# Altium PCB FPGA_SHIELD_MARK1_RA1_2.PcbDoc (part 2 of 4) (continued)
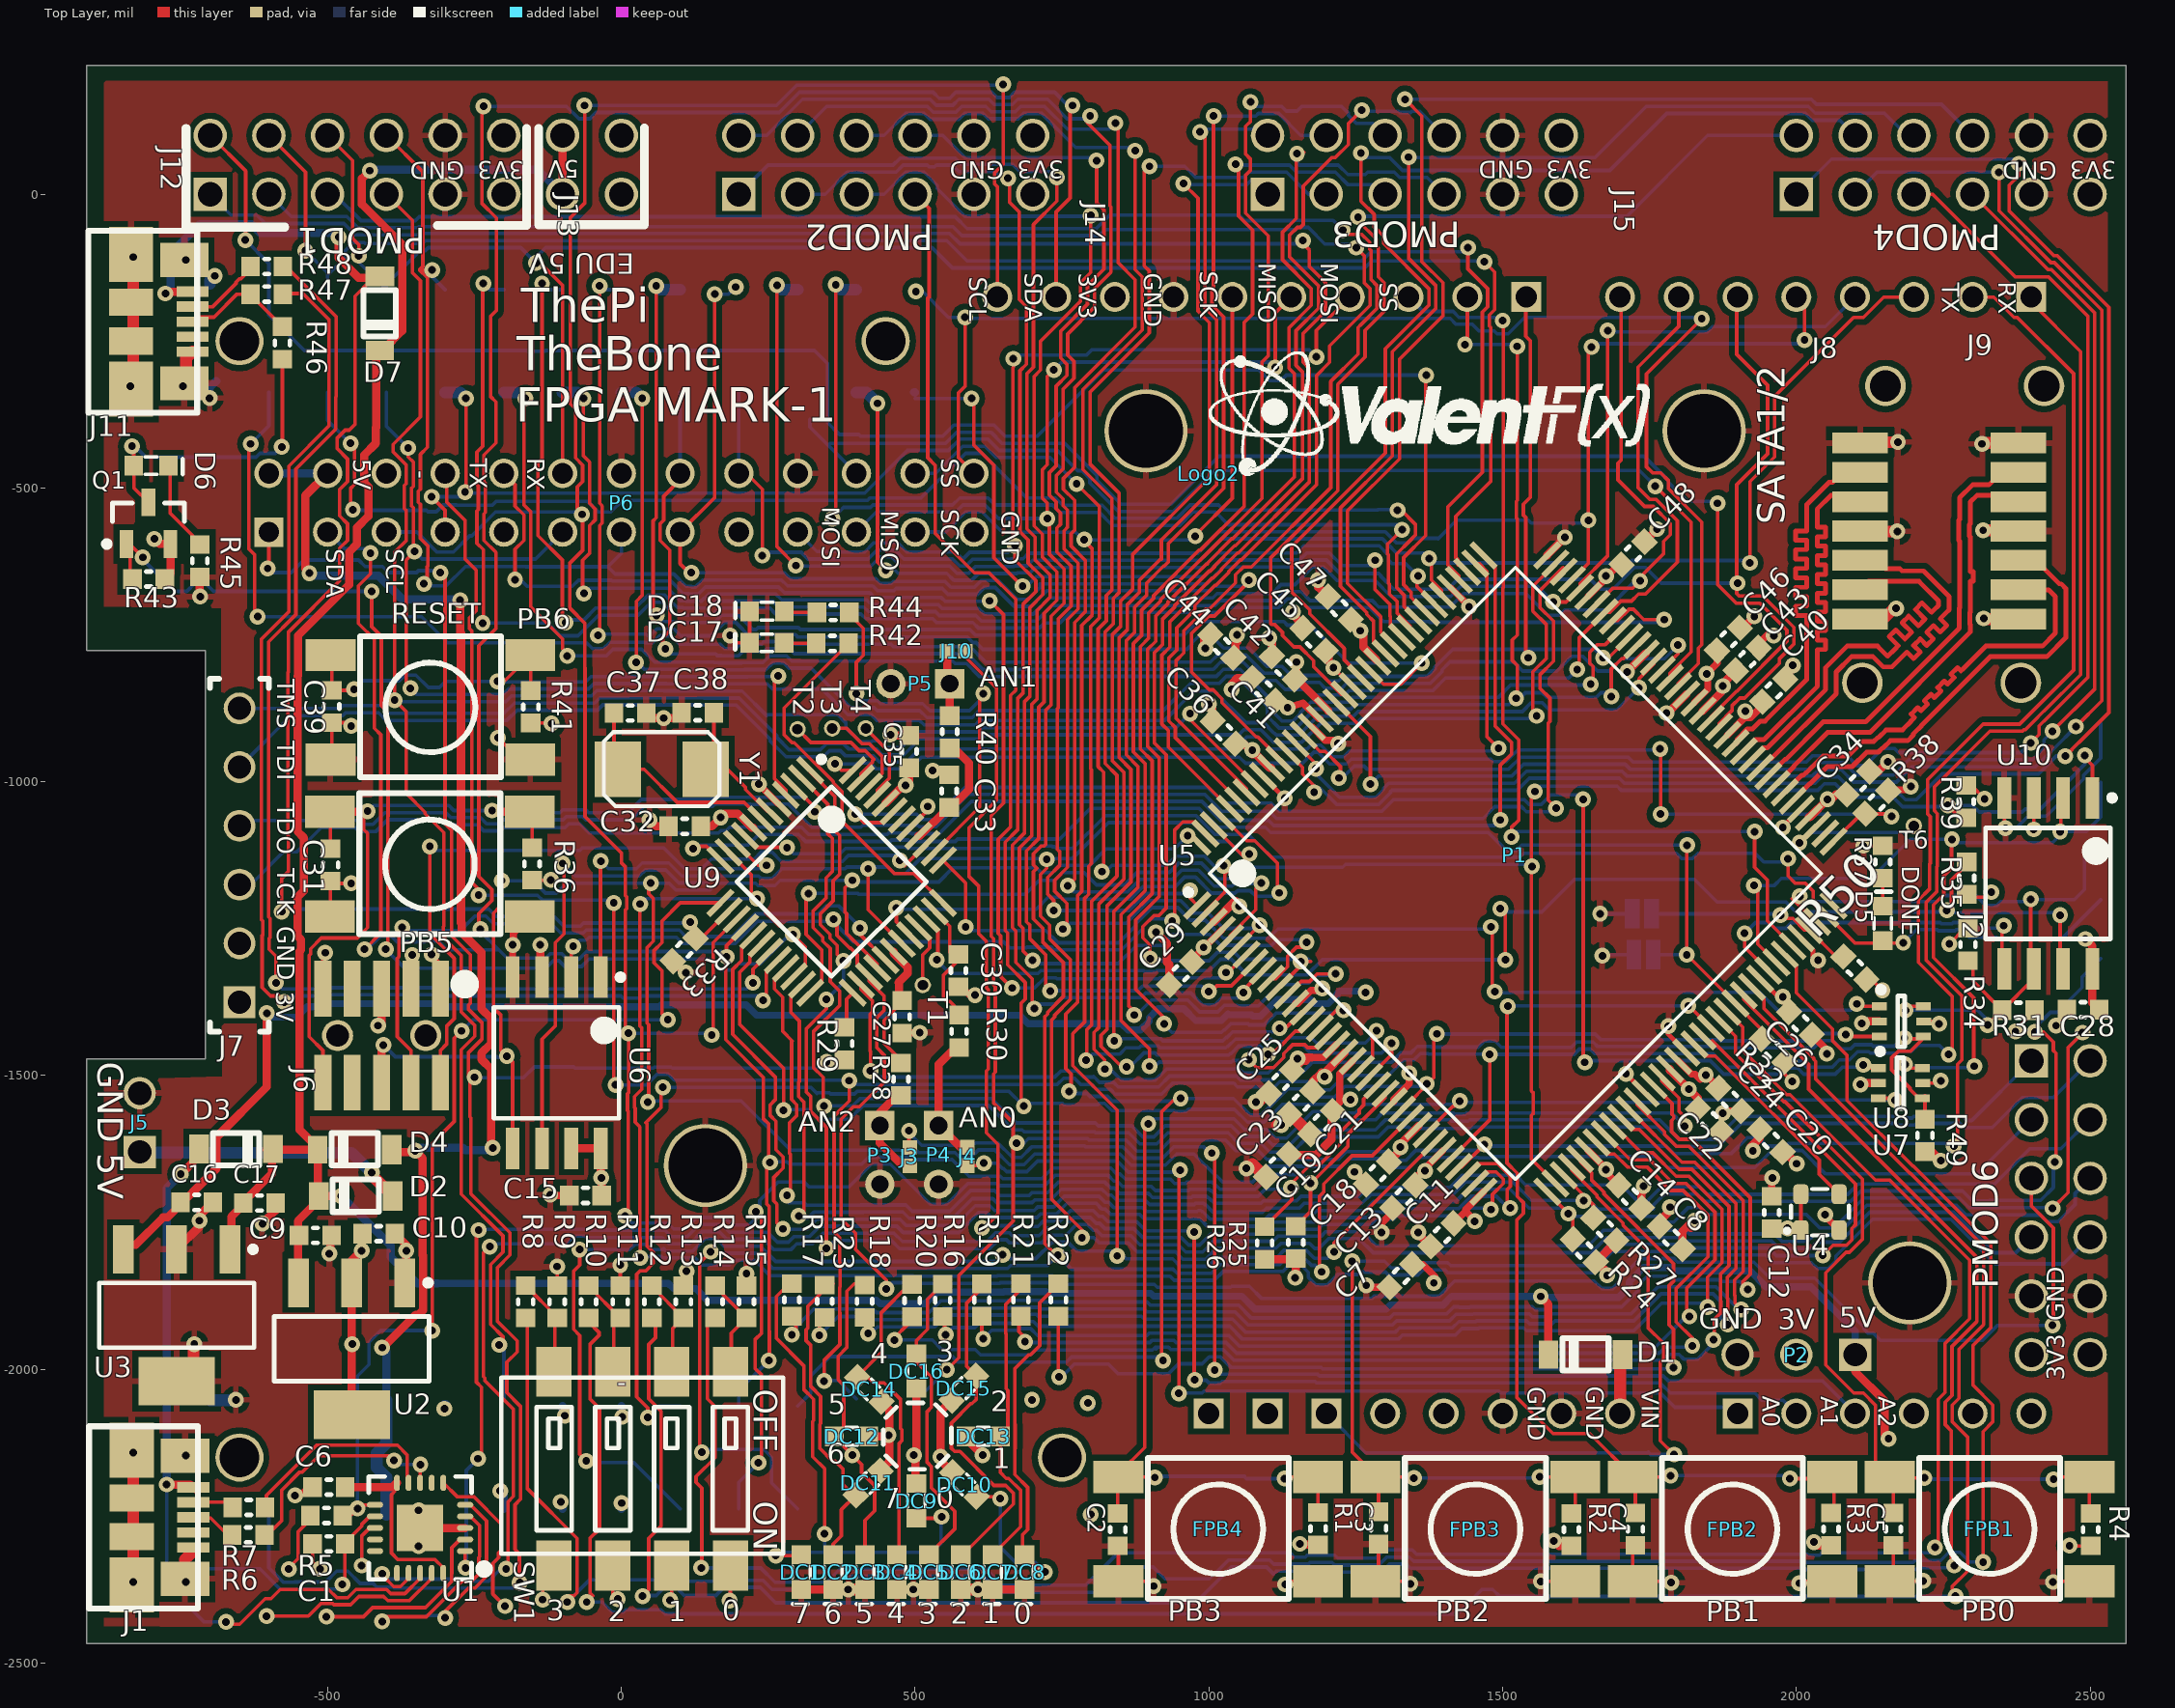
[diagram p0: Top Layer view]
## Nets (pads, with @x,y where several pads share a name; then routed paths per layer and width w, separated by ;. In a path a pad name is that pad's centre, name@x,y a point inside that pad or via, vN(x,y) a via of type N, cw(c..) or ccw(c..) an arc to the next point about the centre after c; other vN are vias at no path point) (continued)
GPMC_AD8: P1.C5 P6.18 P29.19 U5.105 | length 2641.4
  Top Layer w6: P6.18@200,-475 213,-475 240,-502 v1(240,-615) ; U5.105@1618.04,-656.29 1646,-628.34 v1(1646,-555) 1646,-265.5 v1(1651.5,-260) ; P1.C5@2000,-175 2014,-189 v1(2014,-248)
  Bottom Layer w6: P6.18@200,-475 P29.19@200,-337.5 ; v1(240,-615) 245.5,-609.5 306.32,-609.5 317.82,-621 420.21,-621 435.71,-605.5 465.45,-605.5 480.95,-621 563.98,-621 575.98,-633 586.3,-633 597.8,-621.5 662.74,-621.5 663.74,-620.5 683.82,-620.5 693.32,-611 980.8,-611 1017.3,-574.5 1300.26,-574.5 1319.26,-593.5 1338.32,-593.5 1346.32,-585.5 1389.29,-585.5 1390.15,-586.35 1421.5,-555 1544.18,-555 1548.68,-559.5 1641.5,-559.5 v1(1646,-555) ; v1(1651.5,-260) 1657,-254.5 2007.5,-254.5 v1(2014,-248)
GPMC_AD9: P1.C4 P29.13 U5.104 | length 3103.4
  Top Layer w6: v1(-64.5,-347.5) -64.5,-445.45 -54,-455.95 -54,-526.18 -44.5,-535.68 -44.5,-554.45 -54,-563.95 -54,-611.02 -66,-623.02 -66,-677.18 v1(-63.68,-679.5) ; v1(1586,-694) 1608.18,-694 U5.104@1631.96,-670.21 1631.96,-662.22 1679,-615.18 v1(1679,-232)
  Bottom Layer w6: v1(-63.68,-679.5) -54.68,-670.5 79.26,-670.5 100.26,-691.5 109.17,-691.5 110.17,-692.5 136.26,-692.5 148.26,-680.5 262.77,-680.5 272.77,-690.5 417.77,-690.5 425.77,-698.5 539.65,-698.5 546.15,-705 608.18,-705 617.68,-714.5 701.26,-714.5 728.76,-687 1006.63,-687 1014.13,-679.5 1107.74,-679.5 1122.74,-664.5 1146.68,-664.5 1176.68,-634.5 1195.32,-634.5 1218.32,-657.5 1282.99,-657.5 1309.99,-684.5 1411.71,-684.5 1428.71,-667.5 1559.5,-667.5 v1(1586,-694) ; v1(1679,-232) 1681.5,-234.5 1848.32,-234.5 1857.32,-225.5 2049.5,-225.5 P1.C4@2100,-175
  Bottom Layer w20: P29.13@-100,-337.5 -74.5,-337.5 v1(-64.5,-347.5)
GPMC_AD10: P1.C8 P29.14 U5.102 | length 3240.1
  Top Layer w6: v1(-135,-152) -135,-451 -142,-458 -142,-581.08 -100.5,-622.58 -100.5,-725.5 -96,-730 v1(-95,-729) ; U5.102@1659.8,-698.05 1687.35,-670.5 1721.5,-670.5 v1(1734,-658) 1734,-652 1774,-612 1774,-590.82 1785.5,-579.32 1785.5,-560.68 1756.31,-531.49 1741.72,-531.49 1696.51,-486.28 1696.51,-457.7 1701.5,-452.71 1701.5,-176.5 P1.C8@1700,-175
  Bottom Layer w6: v1(-135,-152) -124.5,-162.5 P29.14@-100,-162.5 ; v1@-96,-724.5 -63.68,-724.5 -43.68,-704.5 23.71,-704.5 45.71,-682.5 74.29,-682.5 95.29,-703.5 104.2,-703.5 105.2,-704.5 148.77,-704.5 160.77,-692.5 257.8,-692.5 267.8,-702.5 412.8,-702.5 420.8,-710.5 534.68,-710.5 541.18,-717 603.21,-717 612.71,-726.5 706.23,-726.5 732.73,-700 1010.6,-700 1019.1,-691.5 1113.71,-691.5 1128.71,-676.5 1157.29,-676.5 1172.29,-691.5 1278.26,-691.5 1289.26,-702.5 1410.68,-702.5 1433.68,-679.5 1539.68,-679.5 1576.68,-716.5 1596.74,-716.5 1605.74,-707.5 1676.68,-707.5 1726.18,-658 v1(1734,-658)
GPMC_AD11: P1.C7 P6.16 P29.17 U5.101 | length 2878.3
  Top Layer w6: v1(75,-774) 70.5,-769.5 70.5,-755.32 82.5,-743.32 82.5,-605.58 66,-589.08 66,-560.92 72,-554.92 72,-514 100,-486 P6.16@100,-475 ; v1(1627,-809) 1630,-806 1630,-755.69 U5.101@1673.72,-711.97 1681.87,-711.97 1701.31,-692.53 1719.39,-692.53 1731.42,-680.5 1743.32,-680.5 1797.5,-626.32 1797.5,-555.71 1761.28,-519.49 1750.69,-519.49 1730.51,-499.31 1730.51,-294.49 1800,-225 P1.C7@1800,-175
  Bottom Layer w6: v1(75,-774) 83.5,-782.5 160.68,-782.5 163.37,-785.19 170.4,-785.19 170.71,-785.5 199.29,-785.5 206.79,-778 243.24,-778 247.74,-773.5 286.26,-773.5 294.76,-782 568.36,-782 569.24,-782.88 579.18,-782.88 581.05,-781 582.36,-781 588.36,-787 592.49,-787 592.99,-787.5 594.3,-787.5 ; P6.16@100,-475 P29.17@100,-337.5 ; 594.3,-787.7 615.6,-809 669.97,-809 670.47,-808.5 1007.74,-808.5 1019.74,-796.5 1058.26,-796.5 1089.26,-827.5 1114.32,-827.5 1129.72,-842.89 1168.66,-842.89 1178.26,-852.5 1231.26,-852.5 1239.21,-844.55 1381.76,-844.55 1402.81,-823.5 1612.5,-823.5 v1(1627,-809)
GPMC_AD12: P29.12 U5.100 | length 2842.5
  Top Layer w6: v1(-236,-730) -235,-729 -235,-605.05 -246,-594.05 -246,-539 -243.5,-536.5 -243.5,-496.55 -246,-494.05 -246,-439 -236,-429 -236,-153 v1(-235,-152) ; U5.100@1687.64,-725.89 1695.79,-725.89 1715.23,-706.45 1722.69,-706.45 1740.24,-724 v1(1775,-724)
  Bottom Layer w6: v1(-236,-730) -125.82,-730 -104.32,-751.5 -73.71,-751.5 -38.71,-716.5 28.68,-716.5 50.68,-694.5 69.32,-694.5 90.32,-715.5 99.23,-715.5 100.23,-716.5 153.74,-716.5 165.74,-704.5 252.83,-704.5 262.83,-714.5 407.83,-714.5 415.83,-722.5 529.71,-722.5 536.21,-729 598.24,-729 607.74,-738.5 711.2,-738.5 719.81,-729.89 746.49,-729.89 764.38,-712 1015.57,-712 1024.07,-703.5 1118.68,-703.5 1133.68,-688.5 1152.32,-688.5 1167.32,-703.5 1273.29,-703.5 1297.29,-727.5 1375,-727.5 1376,-728.5 1770.5,-728.5 v1(1775,-724) ; v1(-235,-152) -224.5,-162.5 P29.12@-200,-162.5
GPMC_AD13: P29.11 U5.99 | length 2492.6
  Top Layer w6: v1(-163.5,-347.5) -165.5,-349.5 -165.5,-529.45 -154,-540.95 -154,-702.69 -100,-756.69 -100,-774 -92,-782 v1(-92,-786) ; v1(1650,-834) 1654,-830 1654,-803.82 1648.5,-798.32 1648.5,-779.68 1661.68,-766.5 1674.87,-766.5 U5.99@1701.56,-739.81
  Bottom Layer w6: v1(-92,-786) -91.5,-785.5 -25.71,-785.5 -14.71,-774.5 34.74,-774.5 56.74,-796.5 157.71,-796.5 158.4,-797.19 165.42,-797.19 165.74,-797.5 204.26,-797.5 204.58,-797.19 241.02,-797.19 252.71,-785.5 281.29,-785.5 290.29,-794.5 563.89,-794.5 568.39,-799 587.52,-799 609.52,-821 674.94,-821 675.44,-820.5 1012.71,-820.5 1024.71,-808.5 1053.29,-808.5 1111.5,-866.71 1111.5,-883.32 1124.68,-896.5 1143.32,-896.5 1156.5,-883.32 1156.5,-881.29 1173.29,-864.5 1236.23,-864.5 1244.18,-856.55 1492.63,-856.55 1513.68,-835.5 1648.5,-835.5 v1(1650,-834)
  Bottom Layer w20: P29.11@-200,-337.5 -173.5,-337.5 v1(-163.5,-347.5)
GPMC_AD14: P1.D1 P29.16 U5.98 | length 3153.6
  Top Layer w6: v1(-40,-751) -37,-748 -37,-563.92 -32.5,-559.42 -32.5,-530.71 -37,-526.21 v1(-37,-156) ; P1.D1@1540,-175 1539.5,-175.5 1539.5,-241.68 1547.5,-249.68 1547.5,-515.68 1535.5,-527.68 1535.5,-546.32 1539.5,-550.32 1539.5,-784.82 v1(1543.68,-789) ; v1(1671,-789) 1680.21,-789 U5.98@1715.48,-753.73
  Bottom Layer w6: v1(-40,-751) -37.5,-748.5 42.68,-748.5 45.68,-751.5 48.71,-751.5 60.71,-739.5 89.29,-739.5 101.29,-751.5 152.68,-751.5 175.68,-728.5 194.32,-728.5 219.71,-753.89 233.41,-753.89 237.8,-749.5 296.2,-749.5 300.59,-753.89 589.19,-753.89 598.3,-763 603.74,-763 615.24,-774.5 962.68,-774.5 971.5,-765.68 971.5,-763.68 984.68,-750.5 1003.32,-750.5 1025.32,-772.5 1068.2,-772.5 1099.2,-803.5 1124.27,-803.5 1139.66,-818.89 1193.07,-818.89 1202.68,-828.5 1221.32,-828.5 1229.27,-820.55 1371.82,-820.55 1385,-807.37 1385,-804.41 1414.91,-774.5 1656.5,-774.5 v1(1671,-789) ; v1(-37,-156) -30.5,-162.5 P29.16@0,-162.5
GPMC_AD15: P1.D2 P29.15 U5.97 | length 3203.6
  Top Layer w6: v1@25.5,-795.49 25.5,-692.68 35.5,-682.68 v1(35.5,-347.5) ; v1(1436,-256) 1440,-252 P1.D2@1440,-175 ; v1(1523,-858) 1523,-849.36 1525,-847.36 1525,-802.14 1516.5,-793.64 1516.5,-758.68 1525,-750.18 1525,-552.79 1523.5,-551.29 1523.5,-522.71 1525,-521.21 v1(1525,-259) ; v1(1685,-855) 1685,-808.18 1702.68,-790.5 1705.5,-790.5 U5.97@1736.49,-759.51
  Bottom Layer w6: v1(25,-797) 25,-796.81 26.32,-795.49 39.33,-808.5 152.74,-808.5 153.42,-809.19 160.45,-809.19 160.77,-809.5 209.23,-809.5 209.55,-809.19 245.99,-809.19 257.68,-797.5 276.32,-797.5 285.32,-806.5 322.97,-806.5 390.47,-874 430.5,-874 435.5,-879 508.12,-879 520.12,-891 597.46,-891 609.46,-879 922.43,-879 968.93,-832.5 1017.68,-832.5 1029.68,-820.5 1048.32,-820.5 1099.5,-871.68 1099.5,-888.29 1119.71,-908.5 1148.29,-908.5 1180.29,-876.5 1241.2,-876.5 1249.15,-868.55 1511.23,-868.55 v1@1523.23,-856.55 ; v1(1436,-256) 1522,-256 v1(1525,-259) ; v1@1530.66,-856.55 1538.71,-848.5 1567.29,-848.5 1575.29,-856.5 1659.32,-856.5 1667.32,-848.5 1678.5,-848.5 v1(1685,-855)
  Bottom Layer w20: P29.15@0,-337.5 25.5,-337.5 v1(35.5,-347.5)
GPMC_ADVN: P6.11 P29.7 U5.95 | length 3082.5
  Top Layer w6: v1(-363,-432) -363,-446.95 -354,-455.95 -354,-497.21 -357.5,-500.71 -357.5,-529.97 -354,-533.47 -354,-594.05 ; v1(-359,-841) -366,-834 -366,-622 v1(-352,-608) ; v1(1732,-840) 1732,-824.82 1757.24,-799.58 U5.95@1757.24,-795.49
  Bottom Layer w6: P29.7@-400,-337.5 -400,-395 v1(-363,-432) ; v1(-359,-841) -348.5,-851.5 -201.68,-851.5 -192.18,-842 -55.52,-842 -46.52,-833 77.41,-833 77.59,-833.19 150.51,-833.19 150.83,-833.5 219.17,-833.5 219.49,-833.19 248.37,-833.19 257.68,-842.5 276.32,-842.5 276.82,-842 341.5,-842 385.5,-886 425.53,-886 435.53,-896 508.15,-896 515.15,-903 602.43,-903 609.43,-896 924.18,-896 974.68,-845.5 1009.32,-845.5 1063.32,-899.5 1093.26,-899.5 1110.76,-917 1111.24,-917 1114.74,-920.5 1153.26,-920.5 1185.26,-888.5 1246.17,-888.5 1254.12,-880.55 1533.63,-880.55 1548.68,-865.5 1567.32,-865.5 1579.32,-877.5 1694.5,-877.5 v1(1732,-840) ; v1(-352,-608) -339,-621 -146,-621 P6.11@-100,-575
GPMC_BE0N: P6.7 P29.9 U5.93 | length 2856.5
  Top Layer w6: v1(-323,-515) -300,-538 P6.7@-300,-575 ; v1(-266,-507) -264.5,-505.5 v1(-264.5,-347.5) ; v1(1760.01,-496.99) 1821.07,-558.06 1821.07,-767.51 1821.07,-779.18 1785.08,-815.17 U5.93@1785.08,-823.33
  Bottom Layer w6: v1(-323,-515) -274,-515 v1(-266,-507) -264,-509 414.08,-509 487.08,-436 556.98,-436 575.98,-417 624.02,-417 643.02,-436 742.05,-436 776.55,-470.5 784.32,-470.5 797.5,-483.68 797.5,-491.45 810.05,-504 845.78,-539.73 940.44,-539.73 1010.17,-469.99 1733.01,-469.99 v1(1760.01,-496.99)
  Bottom Layer w20: P29.9@-300,-337.5 -274.5,-337.5 v1(-264.5,-347.5)
GPMC_BE1N_PMOD1_4: J12.4 P28.12 U5.137 | length 3837.6
  Top Layer w6: J12.4@-400,0 -355.5,-44.5 -355.5,-133.65 -342,-147.15 -342,-379.18 -388.5,-425.68 -388.5,-438.42 -366,-460.92 -366,-492.24 -369.5,-495.74 -369.5,-534.94 -366,-538.44 -366,-589.08 -386,-609.08 v1(-386,-861) -366,-881 -366,-1019.82 -334,-1051.82 -334,-1054.53 -302,-1086.53 -302,-1246 -303,-1247 -303,-1263 -301,-1265 -301,-1267.07 -272.5,-1295.57 -272.5,-1391.68 -249.5,-1414.68 -249.5,-1433.32 -272.5,-1456.32 -272.5,-1701.68 -201.5,-1772.68 -201.5,-1800.32 -222.69,-1821.51 -222.69,-1923.46 -201.5,-1944.65 -201.5,-1952 v1(-208,-1958.5) ; v1(968,-884) 968,-894.31 U5.137@1077.97,-1004.28
  Bottom Layer w6: v1(-386,-861) -383.5,-863.5 -196.71,-863.5 -187.21,-854 -50.55,-854 -41.55,-845 72.44,-845 72.62,-845.19 145.54,-845.19 145.86,-845.5 205.44,-845.5 247.12,-887.17 248.29,-886 368.53,-886 382,-899.47 382,-907.53 406.47,-932 425.53,-932 427.34,-930.19 436.68,-930.19 448.68,-942.19 475.81,-942.19 503,-915 607.4,-915 614.4,-908 944,-908 v1(968,-884) v1@969,-885 ; v1(-208,-1958.5) -200,-1966.5 P28.12@-200,-2052.5
GPMC_CLK: P29.18 U5.123 | length 2130.7
  Top Layer w6: v1@54,-717 v1@54,-723 ; v1(59.31,-156) 59.31,-550.63 54,-555.95 v1@54,-723 ; v1(60,-717) v1@60,-729 ; U5.123@1272.84,-809.41 1297.44,-834 1326.55,-834 v1(1362.5,-798.05) ; v1@54,-723 v1@60,-729 ; v1@54,-723 v1@60,-729
  Bottom Layer w6: v1(60,-717) 70.5,-727.5 94.26,-727.5 95.76,-729 158.21,-729 170.71,-716.5 199.29,-716.5 223.79,-741 229.33,-741 232.83,-737.5 301.17,-737.5 304.67,-741 593.27,-741 602.77,-750.5 958,-750.5 981,-727.5 1127.68,-727.5 1133.68,-733.5 1173,-733.5 1237.55,-798.05 v1(1362.5,-798.05)
  Bottom Layer w20: v1(59.31,-156) 65.81,-162.5 P29.18@100,-162.5
GPMC_CSN0: P6.26 P29.26 U5.92 | length 2389.3
  Top Layer w6: v1(585,-209.5) 585,-326.68 573.5,-338.18 573.5,-448.5 P6.26@600,-475 ; U5.92@1799,-837.25 1799,-832.76 1833.07,-798.69 1833.07,-772.48 1839,-766.55 1839,-557.98 1782.51,-501.49 1782.51,-487.67 1769.33,-474.49 1755.51,-474.49 1745.01,-463.99 1745.01,-305.99 v1(1839,-212)
  Bottom Layer w6: P29.26@507.21,-159.71 557,-209.5 v1(585,-209.5) 587,-211.5 1410.74,-211.5 1420.74,-221.5 1448.68,-221.5 1459.68,-232.5 1485.68,-232.5 1490.68,-237.5 1509.32,-237.5 1537.32,-209.5 1836.5,-209.5 v1(1839,-212)
  Bottom Layer w14: P29.26@500,-162.5 500,-164.17 v1(501.38,-165.55)
GPMC_CSN1: P6.22 P29.21 U5.88 | length 2265.2
  Top Layer w6: U5.88@1854.67,-892.92 1854.67,-889.54 1898.71,-845.5 1899.26,-845.5 1984.03,-760.74 1984.03,-742.1 1937.85,-695.92 1897.55,-695.92 1866,-664.36 v1(1866.01,-525.99)
  Bottom Layer w6: P29.21@321,-383 321,-396 352,-427 ; P6.22@400,-475 352,-427 ; v1(1866.01,-525.99) 1862.73,-522.71 1814.73,-522.71 1782.51,-490.49 1782.51,-487.67 1740.84,-446 1017.2,-446 935.46,-527.73 850.75,-527.73 809.5,-486.48 809.5,-478.71 754.79,-424 647.99,-424 628.99,-405 571.01,-405 552.01,-424 355,-424 352,-427
GPMC_CSN2: P1.C6 P6.15 P29.20 U5.87 | length 3385.5
  Top Layer w6: v1(119,-644) v1@117,-646 ; v1(159,-170) 159,-516 P6.15@100,-575 100,-629 ; U5.87@1868.59,-906.84 1868.59,-900.96 1890.5,-879.05 1890.5,-870.68 1903.68,-857.5 1912.05,-857.5 1971.5,-798.05 1971.5,-790.23 1996.03,-765.71 1996.03,-737.13 1942.82,-683.92 1902.52,-683.92 1898.5,-679.89 1898.5,-494.5 1951.01,-441.99 1951.01,-325.12 1898.5,-272.61 1898.5,-176.5 P1.C6@1900,-175 ; 100,-629 v1@117,-646 ; 100,-629 v1@117,-646
  Bottom Layer w6: v1(119,-644) 118.5,-644.5 277.68,-644.5 287.68,-654.5 432.68,-654.5 440.68,-662.5 459.32,-662.5 462.83,-658.99 551.05,-658.99 561.06,-669 601.21,-669 612.71,-657.5 641.68,-657.5 673.68,-689.5 692.32,-689.5 713,-668.82 713,-664 ; v1(159,-170) 182.5,-170 v1(194.56,-157.94) ; 712.41,-663.41 712.82,-663 996.68,-663 1025.18,-634.5 1159.29,-634.5 1171.11,-622.68 ; 1171.32,-622.89 1171.71,-622.5 1200.29,-622.5 1223.29,-645.5 1289.29,-645.5 1292.98,-649.19 ; 1292.32,-649.85 1314.97,-672.5 1406.74,-672.5 1423.74,-655.5 1649.68,-655.5 1666.68,-672.5 1687.68,-672.5 1724.68,-635.5 1743.32,-635.5 1769.82,-662 v1(1900,-662)
  Bottom Layer w14: v1(194.56,-157.94) 199.11,-162.5 P29.20@200,-162.5
GPMC_OEN_PMOD1_9: J12.9 P6.12 P29.8 U5.111 | length 3186.2
  Top Layer w6: J12.9@-500,100 -457.5,57.5 -457.5,-76 ; -457,-76 -447,-86 v1(-447,-105) ; v1(-145,-117) -138.18,-117 -100,-155.18 P6.12@-100,-475 ; U5.111@1424,-631 1424,-621.91 1420.44,-618.35 1420.44,-548 1479.88,-488.56 1479.88,-226.7 1477.5,-224.32 1477.5,-205.68 1486.5,-196.68 1486.5,-132.5 v1(1469,-115)
  Bottom Layer w6: v1(-447,-105) -445,-107 -445,-117.5 P29.8@-400,-162.5 -400,-153.36 -342.64,-96 -333.73,-96 -328.73,-91 -171.27,-91 -153.27,-109 v1@-145,-109 ; v1(-145,-117) v1@-145,-109 ; v1(1469,-115) 1467.5,-113.5 1277.29,-113.5 1265.29,-125.5 563.23,-125.5 528.73,-91 -128.73,-91 -145,-107.27 v1@-145,-109
GPMC_WE1N_PMOD1_10: J12.10 P6.13 P29.10 U5.134 | length 2892.7
  Top Layer w6: J12.10@-400,100 -338,38 -338,-123.18 -343.5,-128.68 ; v1(-336,-663.15) -330.5,-657.65 -330.5,-633.68 -329.5,-632.68 -329.5,-598.68 -342,-586.18 -342,-527.82 -345.5,-524.32 -345.5,-505.68 -342,-502.18 -342,-442.82 -330,-430.82 -330,-142.18 -343.5,-128.68 ; v1(-322,-129) -343.18,-129 ; v1(1068,-657) 1068,-659.57 1009.64,-717.92 999.71,-717.92 970.78,-746.86 970.78,-813.57 1000.71,-843.5 1007.32,-843.5 1022.5,-858.68 1022.5,-865.29 1080.71,-923.5 1083.32,-923.5 1119.73,-959.91 U5.134@1119.73,-962.52 ; -343.5,-128.68 -343.18,-129 ; -343.5,-128.68 -343.18,-129
  Bottom Layer w6: v1(-336,-663.15) -332.65,-666.5 -298.32,-666.5 -265.32,-633.5 -162.68,-633.5 -162.18,-634 -23,-634 ; v1(-322,-129) -343.18,-129 -343.5,-128.68 -333.82,-128.68 P29.10@-300,-162.5 ; P6.13@0,-575 0,-611 -23,-634 ; v1@1072,-657.5 1062,-667.5 1009.16,-667.5 1001.66,-675 723.79,-675 697.29,-701.5 668.71,-701.5 636.71,-669.5 617.68,-669.5 606.18,-681 556.09,-681 546.08,-670.99 467.8,-670.99 464.29,-674.5 435.71,-674.5 427.71,-666.5 282.71,-666.5 272.71,-656.5 138.32,-656.5 126.32,-668.5 120.11,-668.5 119.11,-667.5 110.2,-667.5 89.2,-646.5 -10.5,-646.5 -23,-634
HDMI_D1_N: J9.5 U5.78 | length 765.1
  Top Layer w8: U5.78@1993.87,-1032.12 2022.99,-1003 2024,-1003 2052.73,-974.27 2094.92,-974.27 2119.65,-949.55 2139.22,-949.55 2146.27,-942.5 2147.51,-942.5 2160.01,-930 2189.51,-930 2199.5,-920.01 2199.5,-918.27 2213.27,-904.5 2213.27,-903.73 2329.89,-787.11 2426.35,-787.11 2458.86,-754.59 2458.86,-671.3 2450.86,-663.3 2447.45,-663.3 2407.45,-623.29 J9.5@2378.35,-623.29
HDMI_D1_P: J9.6 U5.79 | length 767.9
  Top Layer w8: U5.79@1979.95,-1018.2 2009.15,-989 2011.53,-989 2015.53,-985 2016.54,-985 2045.27,-956.27 2087.47,-956.27 2112.19,-931.55 2131.76,-931.55 2138.81,-924.5 2140.06,-924.5 2152.56,-912 2181.5,-912 2181.5,-910.81 2195.27,-897.04 2195.27,-896.28 2200.92,-890.62 2195.27,-884.96 2206.58,-873.65 2212.24,-879.31 2223.55,-867.99 2217.89,-862.34 2229.21,-851.02 2234.86,-856.68 2246.18,-845.37 2240.52,-839.71 2251.83,-828.4 2257.49,-834.05 2268.81,-822.74 2263.15,-817.08 2274.46,-805.77 2280.12,-811.43 2283.27,-808.27 2322.43,-769.11 2418.89,-769.11 2440.86,-747.14 2440.86,-684.86 2429.29,-673.29 J9.6@2378.35,-673.29
HDMI_D2_N: J9.3 U5.80 | length 762.4
  Top Layer w8: U5.80@1966.03,-1004.28 1995.31,-975 1995.31,-973.81 2053.06,-916.06 2125.32,-916.06 2296,-745.38 2296,-732.23 2295.5,-731.73 2295.5,-712.27 2296,-711.77 2296,-682.5 2296,-674.5 2296,-658.5 2301,-658.5 2301,-642.5 2296,-642.5 2296,-628 2296,-583.23 2294.5,-581.73 2294.5,-562.27 2296,-560.77 2296,-524 2307.33,-512.67 2367.72,-512.67 J9.3@2378.35,-523.29
HDMI_D2_P: J9.2 U5.81 | length 771.3
  Top Layer w8: U5.81@1952.11,-990.36 1980.47,-962 1981.66,-962 2045.6,-898.06 2117.86,-898.06 2277.5,-738.42 2277.5,-704.81 2278,-704.31 2278,-590.69 2276.5,-589.19 2276.5,-554.81 2278,-553.31 2278,-516.54 2299.88,-494.67 2327.67,-494.67 2349.05,-473.29 J9.2@2378.35,-473.29
HDMI_D3_N: J8.5 U5.82 | length 765.6
  Top Layer w8: U5.82@1938.19,-976.44 1954.47,-960.16 1958.09,-960.16 2068.06,-850.2 2067.83,-849.97 2067.83,-813.15 2093.87,-787.11 2130.69,-787.11 2148.06,-804.48 2162.98,-804.48 2171.23,-796.23 2176.88,-790.57 2188.2,-779.26 2199.51,-790.57 2210.83,-779.26 2199.51,-767.94 2210.83,-756.63 2222.14,-767.94 2233.45,-756.63 2222.14,-745.32 2233.45,-734 2244.77,-745.32 2256.08,-734 2244.77,-722.69 2254.73,-712.73 2260,-707.46 2260,-684.54 2216.46,-641 2179.79,-641 2176.27,-637.48 2151.64,-637.48 2137.45,-623.29 J8.5@2108.35,-623.29
HDMI_D3_P: J8.6 U5.83 | length 760.1
  Top Layer w8: U5.83@1924.27,-962.52 1944.63,-942.16 1950.64,-942.16 2049.83,-842.96 2049.83,-805.69 2086.42,-769.11 2138.15,-769.11 2155.52,-786.48 2168,-774 2173.66,-768.34 2158.03,-752.71 2159.73,-751.01 2165.59,-745.15 2169.34,-741.4 2184.97,-757.03 2196.28,-745.72 2180.02,-729.45 2191.33,-718.14 2207.6,-734.4 2218.91,-723.09 2202.65,-706.82 2213.96,-695.51 2230.23,-711.77 2233.5,-708.5 2242,-700 2242,-692 2209,-659 2122.64,-659 J8.6@2108.35,-673.29
HDMI_D4_N: J8.3 U5.84 | length 755.8
  Top Layer w8: U5.84@1910.35,-948.6 1930.79,-928.16 1944.84,-928.16 2035.83,-837.17 2035.63,-836.96 2035.63,-799 2035.63,-791 2035.63,-775 2049.63,-775 2049.63,-759 2035.63,-759 2035.63,-743 2049.63,-743 2049.63,-727 2035.63,-727 2035.63,-711 2049.63,-711 2049.63,-695 2035.63,-695 2035.63,-679 2049.63,-679 2049.63,-663 2035.63,-663 2035.63,-647 2049.63,-647 2049.63,-631 2035.63,-631 2035.63,-615 2049.63,-615 2049.63,-599 2035.63,-599 2035.63,-583 2049.63,-583 2049.63,-567 2035.63,-567 2035.63,-561 2035.63,-535.81 2058.77,-512.67 2097.72,-512.67 J8.3@2108.35,-523.29
HDMI_D4_P: J8.2 U5.85 | length 771.4
  Top Layer w8: U5.85@1896.43,-934.68 1898.81,-934.68 1899.09,-934.41 1899.09,-927.67 1916.6,-910.16 1925.47,-910.16 1938.76,-896.87 1946.88,-896.87 2017.63,-826.12 2017.63,-807.14 2017.63,-757 2017.63,-749 2017.63,-733 2017.63,-717 1998.63,-717 1998.63,-701 2017.63,-701 2017.63,-685 1998.63,-685 1998.63,-669 2017.63,-669 2017.63,-653 1998.63,-653 1998.63,-637 2017.63,-637 2017.63,-621 1998.63,-621 1998.63,-605 2017.63,-605 2017.63,-589 1998.63,-589 1998.63,-573 2017.63,-573 2017.63,-557 2017.63,-542 2017.63,-528.35 2055.64,-490.34 2061.64,-490.34 2078.69,-473.29 J8.2@2108.35,-473.29
LED0: R22.2 U5.41 | length 1612.6
  Top Layer w6: v1@743,-2010 v1@744,-2011 ; R22.2@744,-1909.56 v1@744,-2011 ; U5.41@1633,-1647 1651.4,-1665.4 1651.4,-1677.61 1672.5,-1698.71 1672.5,-1701.5 1791,-1820 1791,-1849.97 1783.5,-1857.47 1783.5,-1924.29 1791,-1931.79 v1(1791,-1997) ; v1@744,-2011 744,-2012 v1(745,-2013) 745,-2012 v1@744,-2011
  Bottom Layer w6: v1(745,-2013) 749.27,-2013 771.27,-1991 828.73,-1991 845.23,-2007.5 931.32,-2007.5 948.32,-1990.5 988.68,-1990.5 1000.68,-1978.5 1019.32,-1978.5 1037.32,-1996.5 1190.5,-1996.5 1193,-1999 1789,-1999 v1(1791,-1997)
LED1: R21.2 U5.43 | length 1704.2
  Top Layer w6: R21.2@676.91,-1909.67 676.91,-1935.91 687,-1946 v1(687,-1953) ; U5.43@1659.8,-1613.95 1679.24,-1633.39 1690.11,-1633.39 1712.23,-1655.51 1745.6,-1655.51 1785.59,-1695.5 1807.32,-1695.5 1849.5,-1737.68 1849.5,-1808.44 1795.5,-1862.44 1795.5,-1919.32 1823,-1946.82 v1(1823,-1960)
  Bottom Layer w6: v1(687,-1953) 687,-1948 693.5,-1954.5 899.71,-1954.5 903.71,-1950.5 940.29,-1950.5 944.29,-1954.5 1029.26,-1954.5 1047.26,-1972.5 1766.71,-1972.5 1776.71,-1962.5 1820.5,-1962.5 v1(1823,-1960)
LED2: R19.2 U5.44 | length 1733.2
  Top Layer w6: R19.2@613.62,-1909.67 613.62,-1938.62 616,-1941 v1(616,-1948) ; U5.44@1673.72,-1600.03 1717.2,-1643.51 1750.57,-1643.51 1790.56,-1683.5 1812.29,-1683.5 1861.5,-1732.71 1861.5,-1813.41 1813.5,-1861.41 1813.5,-1907.5 1811,-1910 v1(1818,-1910)
  Bottom Layer w6: v1(616,-1948) 630.5,-1933.5 674.68,-1933.5 677.68,-1930.5 696.32,-1930.5 708.32,-1942.5 894.74,-1942.5 898.74,-1938.5 945.26,-1938.5 949.26,-1942.5 1034.23,-1942.5 1052.23,-1960.5 1761.74,-1960.5 1812.24,-1910 v1(1818,-1910)
LED3: R16.2 U5.45 | length 1803.8
  Top Layer w6: R16.2@550.34,-1909.67 550.34,-1939.34 v1(552,-1941) ; U5.45@1687.64,-1586.11 1690.9,-1586.11 1736.3,-1631.51 1755.54,-1631.51 1795.53,-1671.5 1817.26,-1671.5 1873.5,-1727.74 1873.5,-1818.38 1849,-1842.88 v1(1849,-1894)
  Bottom Layer w6: v1(552,-1941) 564,-1929 601.18,-1929 608.68,-1921.5 669.71,-1921.5 672.71,-1918.5 701.29,-1918.5 709.29,-1926.5 1035.2,-1926.5 1057.2,-1948.5 1322.66,-1948.5 1329.66,-1941.5 1419.66,-1941.5 1430.66,-1930.5 1459.23,-1930.5 1460.23,-1929.5 1535.77,-1929.5 1540.77,-1934.5 1723.68,-1934.5 1770.68,-1887.5 1842.5,-1887.5 v1(1849,-1894)
LED4: R20.2 U5.46 | length 1982
  Top Layer w6: v1(465,-1950) 465,-1946.02 487.05,-1923.96 R20.2@487.05,-1909.67 ; U5.46@1701.56,-1572.19 1721,-1591.63 1732.63,-1591.63 1800.5,-1659.5 1822.23,-1659.5 1885.5,-1722.77 1885.5,-1823.35 1870.76,-1838.09 1870.76,-1883.94 1871.5,-1884.68 1871.5,-1903.68 1860.5,-1914.68 1860.5,-1948.5 v1@1859,-1950
  Bottom Layer w6: v1(465,-1950) 529.18,-1950 545.42,-1966.24 602.42,-1966.24 611.68,-1975.5 696.32,-1975.5 704.82,-1967 904.18,-1967 908.68,-1962.5 912.68,-1962.5 ; 910.09,-1965.09 912.68,-1962.5 ; v1(1858.77,-1949.77) 1859,-1950 1859,-1955.82 1832.32,-1982.5 1808.32,-1982.5 1800.32,-1974.5 1781.68,-1974.5 1771.68,-1984.5 1042.29,-1984.5 1024.29,-1966.5 935.32,-1966.5 931.32,-1962.5 912.68,-1962.5
LED5: R18.2 U5.47 | length 2047.9
  Top Layer w6: v1(420,-1939) 421.09,-1939 423.77,-1936.32 R18.2@423.77,-1909.67 ; U5.47@1715.48,-1558.27 1716.24,-1558.27 1805.47,-1647.5 1827.2,-1647.5 1897.5,-1717.8 1897.5,-1828.32 1882.76,-1843.06 1882.76,-1878.97 1883.5,-1879.71 1883.5,-1923.5 v1(1883,-1924)
  Bottom Layer w6: v1@422.98,-1940.02 435.5,-1927.5 533.68,-1927.5 553.68,-1907.5 666.74,-1907.5 667.74,-1906.5 706.26,-1906.5 709.26,-1909.5 885.03,-1909.5 890.03,-1914.5 1040.17,-1914.5 1062.17,-1936.5 1317.69,-1936.5 1324.69,-1929.5 1414.69,-1929.5 1425.69,-1918.5 1454.26,-1918.5 1455.26,-1917.5 1540.74,-1917.5 1545.74,-1922.5 1584.26,-1922.5 1589.26,-1917.5 1723.71,-1917.5 1769.71,-1871.5 1858.32,-1871.5 1871.5,-1884.68 1871.5,-1912.5 v1(1883,-1924)
LED6: R23.2 U5.48 | length 2141.8
  Top Layer w6: v1(337,-1942) 337,-1920.56 R23.2@346,-1911.56 ; U5.48@1729.4,-1544.35 1729.4,-1549.55 1775.5,-1595.65 1775.5,-1600.29 1795.71,-1620.5 1817.17,-1620.5 1909.5,-1712.83 1909.5,-1833.29 1894.76,-1848.03 1894.76,-1874 1895.5,-1874.74 1895.5,-1887.5 v1(1906,-1898)
  Bottom Layer w6: v1(337,-1942) 369,-1910 400,-1910 ; 403,-1910 400,-1910 ; v1(1906,-1898) 1901.79,-1898 1863.29,-1859.5 1764.74,-1859.5 1718.74,-1905.5 1584.29,-1905.5 1579.29,-1910.5 1550.71,-1910.5 1545.71,-1905.5 1450.29,-1905.5 1449.29,-1906.5 1420.72,-1906.5 1409.72,-1917.5 1319.72,-1917.5 1312.72,-1924.5 1067.14,-1924.5 1045.14,-1902.5 895,-1902.5 890,-1897.5 714.23,-1897.5 711.23,-1894.5 662.77,-1894.5 661.77,-1895.5 548.71,-1895.5 528.71,-1915.5 429.25,-1915.5 423.25,-1909.5 400.5,-1909.5 400,-1910
LED7: R17.2 U5.50 | length 2193.9
  Top Layer w6: v1(290.18,-1941) 297.19,-1933.99 R17.2@297.19,-1909.67 ; U5.50@1757.24,-1516.51 1788.55,-1547.82 1788.55,-1565.91 1791.51,-1568.87 1791.51,-1572.67 1787.5,-1576.68 1787.5,-1595.32 1800.68,-1608.5 1822.14,-1608.5 1921.5,-1707.86 1921.5,-1838.26 1909,-1850.76 1909,-1856.09 v1(1917.26,-1864.35)
  Bottom Layer w6: v1@287.18,-1938 327.68,-1897.5 428.22,-1897.5 434.22,-1903.5 523.74,-1903.5 543.74,-1883.5 656.8,-1883.5 657.8,-1882.5 716.2,-1882.5 719.2,-1885.5 894.97,-1885.5 899.97,-1890.5 1050.11,-1890.5 1072.11,-1912.5 1307.75,-1912.5 1314.75,-1905.5 1404.75,-1905.5 1416.75,-1893.5 1424.68,-1893.5 1425.68,-1894.5 1444.32,-1894.5 1445.32,-1893.5 1550.68,-1893.5 1555.68,-1898.5 1574.32,-1898.5 1579.32,-1893.5 1702.75,-1893.5 1730.52,-1865.73 1730.52,-1857.24 1746.26,-1841.5 1779.37,-1841.5 1785.37,-1847.5 1868.26,-1847.5 1871.44,-1850.68 1903.59,-1850.68 v1(1917.26,-1864.35)
LPC_CS_FPGA: U5.141 U9.32 | length 931.2
  Top Layer w6: v1(468,-1214.69) 468,-1238.18 U9.32@491.53,-1261.7 ; U5.141@1022.29,-1059.96 1023.48,-1059.96 1064.03,-1100.5 1078.32,-1100.5 1117,-1139.18 v1@1117,-1189.09
  Bottom Layer w6: v1(468,-1214.69) 470.31,-1217 706.18,-1217 726.68,-1196.5 747.68,-1196.5 750.68,-1199.5 866.8,-1199.5 888.04,-1178.26 942.92,-1178.26 958.68,-1162.5 977.32,-1162.5 1004.32,-1189.5 1044.26,-1189.5 1046.76,-1187 1047.91,-1187 1049.41,-1185.5 1055.32,-1185.5 1070.5,-1185.5 1080,-1195 1113.82,-1195 v1(1119.73,-1189.09)
LPC_FPGA_SLAVE_CFG_CCLK: U8.1 U9.37 | length 1883.1
  Top Layer w6: U9.37@547.2,-1133.65 585.94,-1172.38 v1(585.94,-1247) ; v1@1480.82,-1246.32 1480.68,-1246.32 v1(1480,-1247) 1482.24,-1249.24 1482.24,-1352.67 v1(1486.63,-1357.06) ; v1(2103,-1378) 2107.41,-1382.41 U8.1@2136.55,-1382.41 ; U8.1@2140.55,-1386.41 U8.1@2136.55,-1382.41 ; U8.1@2141.12,-1382.41 U8.1@2136.55,-1382.41
  Bottom Layer w6: v1(585.94,-1247) 592.14,-1253.2 722.38,-1253.2 743.18,-1274 846.24,-1274 875.5,-1244.74 875.5,-1241.71 902.95,-1214.26 946.99,-1214.26 968.23,-1235.5 993.95,-1235.5 1024.63,-1266.18 1053.23,-1266.18 1053.55,-1266.5 1101.71,-1266.5 1117.71,-1250.5 v1@1480,-1250.5 ; v1(1486.63,-1357.06) 1488.58,-1359.01 1513.67,-1359.01 1514.18,-1358.5 1937.68,-1358.5 1967.68,-1388.5 2092.5,-1388.5 v1(2103,-1378)
LPC_FPGA_SLAVE_CFG_DIN: U7.1 U9.43 | length 2354.2
  Top Layer w6: v1(398,-1055) 412.57,-1069.57 444.25,-1069.57 U9.43@463.69,-1050.13 ; v1(1637.18,-1030) 1637.18,-1474.63 v1(1640,-1477.45) ; v1(2114,-1482) 2119.41,-1487.41 U7.1@2139.6,-1487.41
  Bottom Layer w6: v1(398,-1055) 502.7,-1055 512.15,-1064.45 530.79,-1064.45 585.73,-1009.5 998.17,-1009.5 1024.88,-1036.21 1105.92,-1036.21 1120.21,-1050.5 1294.26,-1050.5 1314.26,-1030.5 1537.18,-1030.5 1545.68,-1039 1565.18,-1039 1581.68,-1022.5 1629.68,-1022.5 v1(1637.18,-1030) ; v1(1640,-1477.45) 1642.84,-1474.61 1853.43,-1474.61 1876.32,-1497.5 1973.68,-1497.5 1983.68,-1487.5 2002.32,-1487.5 2012.32,-1497.5 2066.29,-1497.5 2078.29,-1485.5 v1@2109.5,-1485.5